# KiCad board mad36v3.kicad_pcb
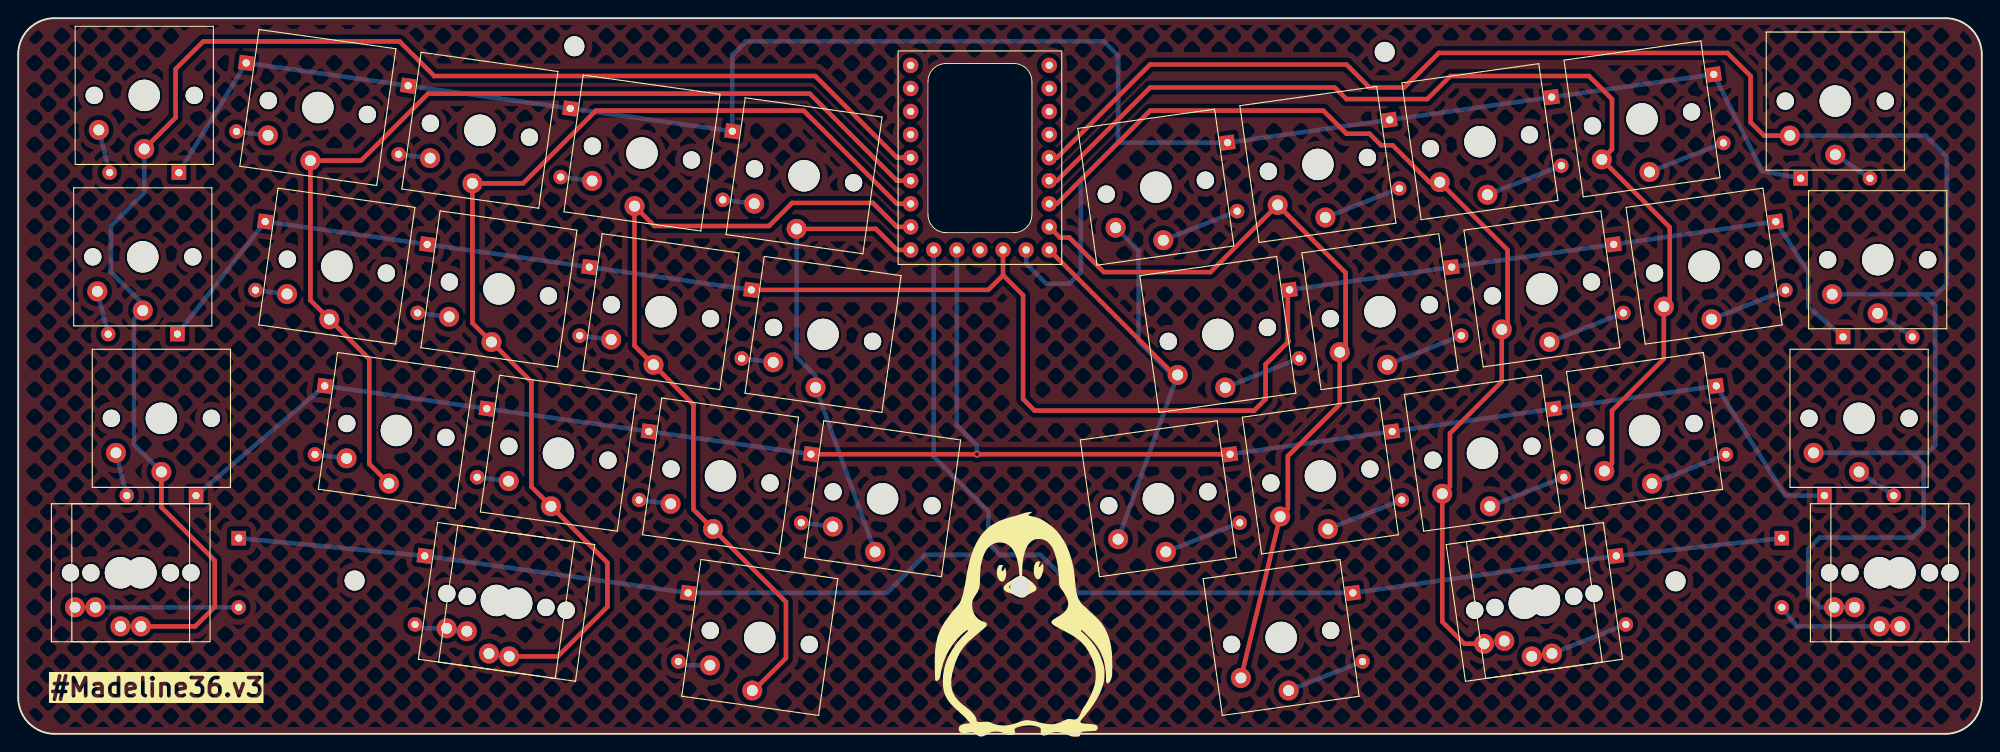
[diagram p0: board, top side]
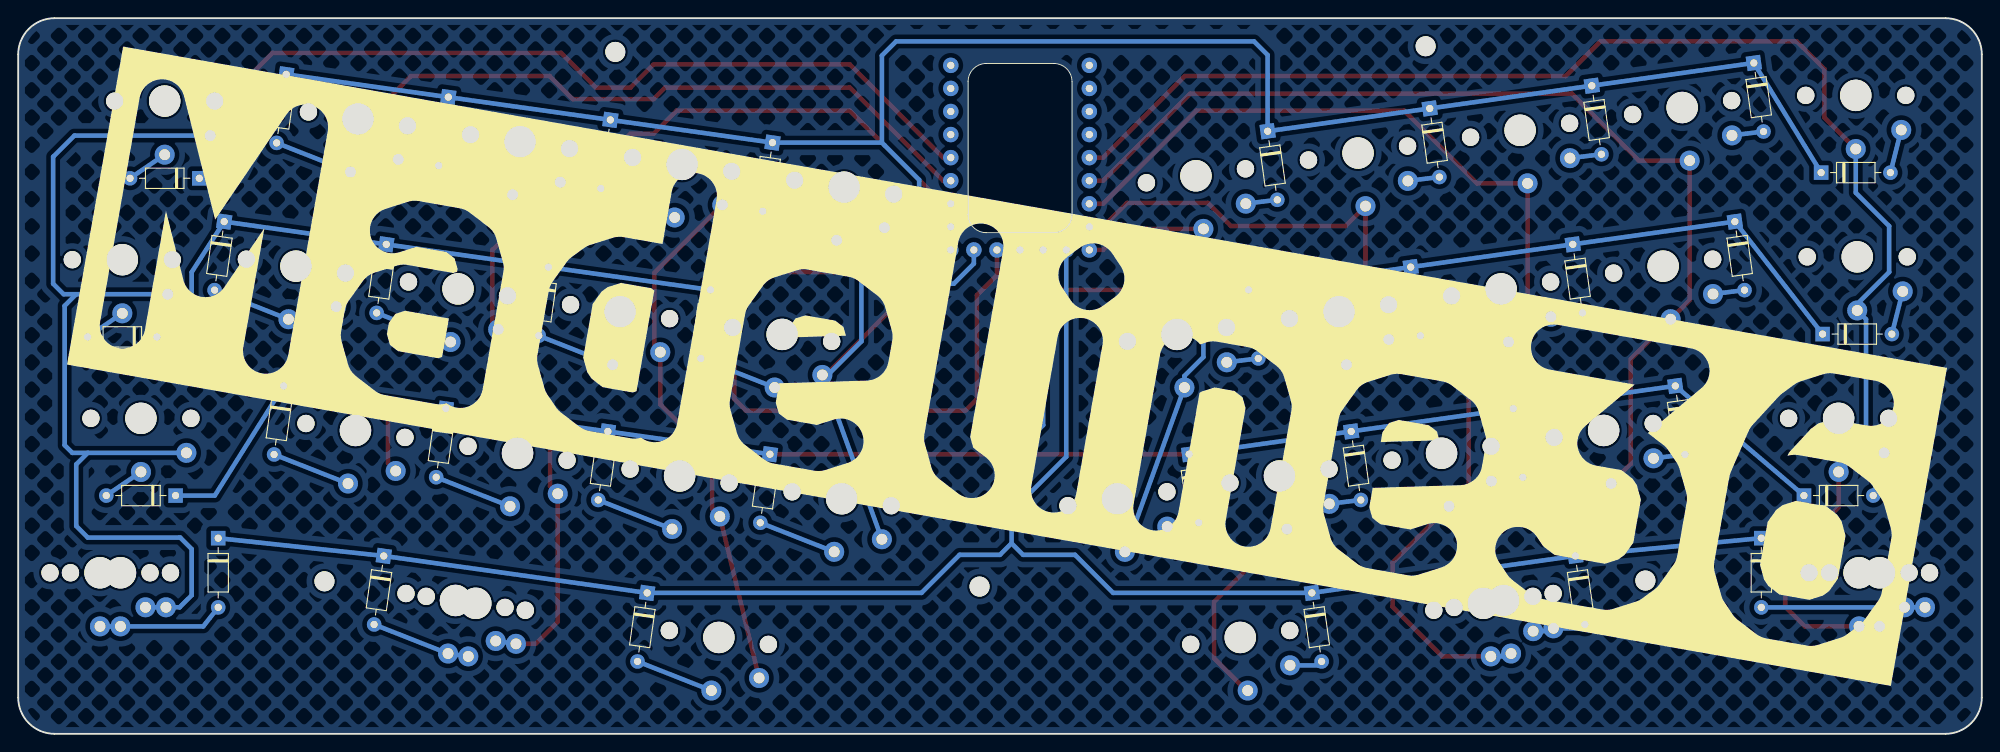
[diagram p1: board, bottom side, seen from below]

Outline 215.97 x 78.78 mm; copper layers: Top, Bottom. Coordinates in mm from the lower left corner of the outline.
Outline path: 0,74.78 arc(1.17,77.61) 4,78.78 211.97,78.78 arc(214.8,77.61) 215.97,74.78 215.97,4 arc(214.8,1.17) 211.99,0 4,0 arc(1.17,1.17) 0,4.02 0,74.78 ; 100.06,71.79 arc(100.65,73.2) 102.06,73.79 109.49,73.79 arc(110.91,73.2) 111.49,71.79 111.49,57.17 arc(110.91,55.75) 109.49,55.17 102.06,55.17 arc(100.65,55.75) 100.06,57.17 100.06,71.79

## Placement (name value [footprint] x y rotation side)
D1  DIODE  [Diode]  17.67 61.78 180 bottom
D2  DIODE  [Diode]  25.07 73.85 262 bottom
D3  DIODE  [Diode]  42.9 71.34 262 bottom
D4  DIODE  [Diode]  60.72 68.84 262 bottom
D5  DIODE  [Diode]  78.55 66.33 262 bottom
D6  DIODE  [Diode]  133.01 65.08 278 bottom
D7  DIODE  [Diode]  150.84 67.58 278 bottom
D8  DIODE  [Diode]  168.66 70.09 278 bottom
D9  DIODE  [Diode]  186.49 72.59 278 bottom
D10  DIODE  [Diode]  196.05 61.15 0 bottom
D11  DIODE  [Diode]  17.51 44 180 bottom
D12  DIODE  [Diode]  27.16 56.38 262 bottom
D13  DIODE  [Diode]  44.99 53.88 262 bottom
D14  DIODE  [Diode]  62.81 51.37 262 bottom
D15  DIODE  [Diode]  80.64 48.87 262 bottom
D16  DIODE  [Diode]  139.83 48.87 278 bottom
D17  DIODE  [Diode]  157.66 51.37 278 bottom
D18  DIODE  [Diode]  175.48 53.88 278 bottom
D19  DIODE  [Diode]  193.31 56.38 278 bottom
D20  DIODE  [Diode]  200.71 43.69 0 bottom
D21  DIODE  [Diode]  19.56 26.23 180 bottom
D22  DIODE  [Diode]  33.71 38.3 262 bottom
D23  DIODE  [Diode]  51.53 35.79 262 bottom
D24  DIODE  [Diode]  69.36 33.29 262 bottom
D25  DIODE  [Diode]  87.18 30.78 262 bottom
D26  DIODE  [Diode]  133.29 30.78 278 bottom
D27  DIODE  [Diode]  151.11 33.29 278 bottom
D28  DIODE  [Diode]  168.94 35.79 278 bottom
D29  DIODE  [Diode]  186.76 38.3 278 bottom
D30  DIODE  [Diode]  198.66 26.23 0 bottom
D31  DIODE  [Diode]  24.25 21.54 270 bottom
D32  DIODE  [Diode]  44.71 19.58 262 bottom
D33  DIODE  [Diode]  73.68 15.51 262 bottom
D34  DIODE  [Diode]  146.79 15.51 278 bottom
D35  DIODE  [Diode]  175.76 19.58 278 bottom
D36  DIODE  [Diode]  193.97 21.54 270 bottom
H1  MountingHole  [MountingHole_2.2mm_M2]  110.23 16.21 0 top
H2  MountingHole  [MountingHole_2.2mm_M2]  37 16.87 0 top
H3  MountingHole  [MountingHole_2.2mm_M2]  182.29 16.79 0 top
H4  MountingHole  [MountingHole_2.2mm_M2]  150.3 75.06 0 top
H5  MountingHole  [MountingHole_2.2mm_M2]  61.17 75.69 0 top
SW1  key  [SW_Kailh_Choc_V1_1.00u]  13.86 70.28 180 top
SW2  key  [SW_Kailh_Choc_V1_1.00u]  32.96 68.94 172 top
SW3  key  [SW_Kailh_Choc_V1_1.00u]  50.78 66.44 172 top
SW4  key  [SW_Kailh_Choc_V1_1.00u]  68.61 63.93 172 top
SW5  key  [SW_Kailh_Choc_V1_1.00u]  86.43 61.43 172 top
SW6  key  [SW_Kailh_Choc_V1_1.00u]  125.12 60.17 188 top
SW7  key  [SW_Kailh_Choc_V1_1.00u]  142.95 62.68 188 top
SW8  key  [SW_Kailh_Choc_V1_1.00u]  160.77 65.18 188 top
SW9  key  [SW_Kailh_Choc_V1_1.00u]  178.6 67.69 188 top
SW10  key  [SW_Kailh_Choc_V1_1.00u]  199.86 69.65 180 top
SW11  key  [SW_Kailh_Choc_V1_1.00u]  13.7 52.5 180 top
SW12  key  [SW_Kailh_Choc_V1_1.00u]  35.05 51.48 172 top
SW13  key  [SW_Kailh_Choc_V1_1.00u]  52.87 48.98 172 top
SW14  key  [SW_Kailh_Choc_V1_1.00u]  70.7 46.47 172 top
SW15  key  [SW_Kailh_Choc_V1_1.00u]  88.52 43.97 172 top
SW16  key  [SW_Kailh_Choc_V1_1.00u]  131.95 43.97 188 top
SW17  key  [SW_Kailh_Choc_V1_1.00u]  149.77 46.47 188 top
SW18  key  [SW_Kailh_Choc_V1_1.00u]  167.6 48.98 188 top
SW19  key  [SW_Kailh_Choc_V1_1.00u]  185.42 51.48 188 top
SW20  key  [SW_Kailh_Choc_V1_1.00u]  204.52 52.19 180 top
SW21  key  [SW_Kailh_Choc_V1_1.00u]  15.75 34.73 180 top
SW22  key  [SW_Kailh_Choc_V1_1.00u]  41.6 33.39 172 top
SW23  key  [SW_Kailh_Choc_V1_1.00u]  59.42 30.89 172 top
SW24  key  [SW_Kailh_Choc_V1_1.00u]  77.25 28.38 172 top
SW25  key  [SW_Kailh_Choc_V1_1.00u]  95.07 25.88 172 top
SW26  key  [SW_Kailh_Choc_V1_1.00u]  125.4 25.88 188 top
SW27  key  [SW_Kailh_Choc_V1_1.00u]  143.22 28.38 188 top
SW28  key  [SW_Kailh_Choc_V1_1.00u]  161.05 30.89 188 top
SW29  key  [SW_Kailh_Choc_V1_1.00u]  178.87 33.39 188 top
SW30  key  [SW_Kailh_Choc_V1_1.00u]  202.47 34.73 180 top
SW31  key  [SW_Kailh_Choc_V1_1.00u]  11.25 17.73 180 top
SW31b  key  [SW_Kailh_Choc_V1_1.00u]  13.5 17.73 180 top
SW32  key  [SW_Kailh_Choc_V1_1.00u]  54.83 14.37 172 top
SW32b  key  [SW_Kailh_Choc_V1_1.00u]  52.6 14.68 172 top
SW33  key  [SW_Kailh_Choc_V1_1.00u]  81.56 10.61 172 top
SW34  key  [SW_Kailh_Choc_V1_1.00u]  138.91 10.61 188 top
SW35  key  [SW_Kailh_Choc_V1_1.00u]  165.64 14.37 188 top
SW35b  key  [SW_Kailh_Choc_V1_1.00u]  167.87 14.68 188 top
SW36  key  [SW_Kailh_Choc_V1_1.00u]  206.97 17.73 180 top
SW36b  key  [SW_Kailh_Choc_V1_1.00u]  204.72 17.73 180 top
U1  -  [RP2040]  105.78 63.42 0 top

## Library data of the parts
H1-H5 = -: ki_fp_filters: MountingHole*

## Footprints (pads in the part's own frame, mm; a bottom-side part is the same pattern mirrored in y, then rotated)
Diode
  rect 1.6x1.6 hole 0.8: 1(0,0)
  oval 1.6x1.6 hole 0.8: 2(7.62,0)
MountingHole_2.2mm_M2
  round 2.2 hole 2.2 unplated: (0,0)
RP2040
  round 1.7 hole 0.8: 0(7.62,10.16) 1(7.62,7.62) 2(7.62,5.08) 3(7.62,2.54) 4(7.62,0) 5(7.62,-2.54) 6(7.62,-5.08) 7(7.62,-7.62) 8(7.62,-10.16) 9(5.08,-10.16) 10(2.54,-10.16) 11(0,-10.16) 12(-2.54,-10.16) 13(-5.08,-10.16) 14(-7.62,-10.16) 15(-7.62,-7.62) 16(-7.62,-5.08) 17(-7.62,-2.54) 18(-7.62,0) 19(-7.62,2.54) 20(-7.62,5.08) 21(-7.62,7.62) 22(-7.62,10.16)
SW_Kailh_Choc_V1_1.00u
  round 1.9 hole 1.9 unplated: (-5.5,0) (5.5,0)
  round 3.45 hole 3.45 unplated: (0,0)
  round 2.2 hole 1.2: 1(0,5.9) 2(5,3.8)

## Nets
GND: U1.21
c0: SW1.1 SW11.1 SW21.1 SW31.1 SW31b.1 U1.18
c1: SW2.1 SW12.1 SW22.1 U1.17
c2: SW3.1 SW13.1 SW23.1 SW32.1 SW32b.1 U1.16
c3: SW4.1 SW14.1 SW24.1 SW33.1 U1.15
c4: SW5.1 SW15.1 SW25.1 U1.14
c5: SW6.2 SW16.2 SW26.2 U1.8
c6: SW7.2 SW17.2 SW27.2 SW34.2 U1.7
c7: SW8.2 SW18.2 SW28.2 SW35.2 SW35b.2 U1.6
c8: SW9.2 SW19.2 SW29.2 U1.5
c9: SW10.2 SW20.2 SW30.2 SW36.2 SW36b.2 U1.4
l0: D31.1 D32.1 D33.1 D34.1 D35.1 D36.1 U1.13
l1: D21.1 D22.1 D23.1 D24.1 D25.1 D26.1 D27.1 D28.1 D29.1 D30.1 U1.12
l2: D11.1 D12.1 D13.1 D14.1 D15.1 D16.1 D17.1 D18.1 D19.1 D20.1 U1.10
l3: D1.1 D2.1 D3.1 D4.1 D5.1 D6.1 D7.1 D8.1 D9.1 D10.1 U1.9
Net-(D1-Pad2): D1.2 SW1.2
Net-(D2-Pad2): D2.2 SW2.2
Net-(D3-Pad2): D3.2 SW3.2
Net-(D4-Pad2): D4.2 SW4.2
Net-(D5-Pad2): D5.2 SW5.2
Net-(D6-Pad2): D6.2 SW6.1
Net-(D7-Pad2): D7.2 SW7.1
Net-(D8-Pad2): D8.2 SW8.1
Net-(D9-Pad2): D9.2 SW9.1
Net-(D10-Pad2): D10.2 SW10.1
Net-(D11-Pad2): D11.2 SW11.2
Net-(D12-Pad2): D12.2 SW12.2
Net-(D13-Pad2): D13.2 SW13.2
Net-(D14-Pad2): D14.2 SW14.2
Net-(D15-Pad2): D15.2 SW15.2
Net-(D16-Pad2): D16.2 SW16.1
Net-(D17-Pad2): D17.2 SW17.1
Net-(D18-Pad2): D18.2 SW18.1
Net-(D19-Pad2): D19.2 SW19.1
Net-(D20-Pad2): D20.2 SW20.1
Net-(D21-Pad2): D21.2 SW21.2
Net-(D22-Pad2): D22.2 SW22.2
Net-(D23-Pad2): D23.2 SW23.2
Net-(D24-Pad2): D24.2 SW24.2
Net-(D25-Pad2): D25.2 SW25.2
Net-(D26-Pad2): D26.2 SW26.1
Net-(D27-Pad2): D27.2 SW27.1
Net-(D28-Pad2): D28.2 SW28.1
Net-(D29-Pad2): D29.2 SW29.1
Net-(D30-Pad2): D30.2 SW30.1
Net-(D31-Pad2): D31.2 SW31.2 SW31b.2
Net-(D32-Pad2): D32.2 SW32.2 SW32b.2
Net-(D33-Pad2): D33.2 SW33.2
Net-(D34-Pad2): D34.2 SW34.1
Net-(D35-Pad2): D35.2 SW35.1 SW35b.1
Net-(D36-Pad2): D36.2 SW36.1 SW36b.1

Pads without a net: U1 0 1 2 3 11 19 20 22

## Via types
v1: diameter 0.8, hole 0.4, Top to Bottom, 1 via

## Routing (per net, layer and track width the routed paths; a pad name or vN(x,y) marks a point on that pad's centre or on a via; arc(x,y) is an arc through that point)
c0: length 166.3
  Top w0.5: SW21.1 15.75,24.94 21.62,19.07 21.62,13.99 19.47,11.83 SW31b.1 ; SW1.1 17.31,67.83 17.31,73.18 20.35,76.22 41.94,76.22 45.75,72.41 87.66,72.41 96.65,63.42 U1.18
  Bottom w0.5: SW1.1 13.86,59.57 10.19,55.9 10.19,50.82 13.7,47.31 SW11.1 12.73,45.63 12.73,31.84 SW21.1 ; SW31b.1 SW31.1
c1: length 112.2
  Top w0.5: SW22.1 38.62,29.71 38.62,41.25 SW12.1 32.14,47.73 SW2.1 37.72,63.1 45.09,70.47 87.06,70.47 96.65,60.88 U1.17
c2: length 123.9
  Top w0.5: SW32.1 59.34,8.52 64.8,13.99 64.8,18.84 SW23.1 56.44,27.2 56.44,38.74 SW13.1 49.96,45.22 SW3.1 55.53,60.59 63.53,68.6 86.39,68.6 96.65,58.34 U1.16
  Bottom w0.5: SW32b.1 52.09,8.52 SW32.1
c3: length 95.4
  Top w0.5: 80.66,4.55 84.44,8.32 84.44,14.52 SW24.1 74.27,24.7 74.27,36.24 SW14.1 67.79,42.72 SW4.1 69.98,55.9 82.58,55.9 85.12,58.44 94.01,58.44 96.65,55.8 U1.15
c4: length 51.1
  Top w0.5: SW5.1 94.33,55.58 96.65,53.26 U1.14
  Bottom w0.5: SW5.1 85.61,41.48 87.7,39.39 SW15.1 SW25.1
c5: length 58.1
  Top w0.5: U1.8 127.16,39.51
  Bottom w0.5: SW26.2 SW16.2 126.92,39.51 123.22,43.2 123.22,53.19 SW6.2
c6: length 88.9
  Top w0.5: SW34.2 SW27.2 139.65,24.77 139.65,30.57 145.35,36.27 SW17.2 146,42.66 146,50.75 SW7.2 131.12,50.82 119.41,50.82 115.6,54.63 114.57,54.63 U1.7
c7: length 112.8
  Top w0.5: U1.6 114.24,58.34 124.49,68.6 143.54,68.6 146.08,66.06 148.62,66.06 149.89,64.79 151.16,64.79 155.23,60.72 SW8.2 163.82,53.26 163.82,45.16 SW18.2 163.17,38.78 157.47,33.07 157.47,27.27 SW28.2 156.63,12.34 159.06,9.91 SW35.2
  Bottom w0.5: SW35b.2 SW35.2
c8: length 116.2
  Top w0.5: SW29.2 175.29,29.78 175.29,35.58 181,41.28 SW19.2 181.64,47.67 181.64,55.76 SW9.2 175.29,64.35 175.29,69.87 172.75,72.41 157.51,72.41 154.97,69.87 146.08,69.87 144.81,71.14 124.49,71.14 114.24,60.88 U1.5
c9: length 204.3
  Top w0.5: SW10.2 192.01,65.85 190.53,67.33 190.53,72.41 187.99,74.95 156.24,74.95 152.43,71.14 148.62,71.14 146.08,73.68 124.49,73.68 114.24,63.42 U1.4
  Bottom w0.5: SW10.2 209.79,65.85 212.12,63.52 212.12,49.55 210.97,48.39 209.58,48.39 ; 209.58,48.39 210.85,47.12 210.85,31.77 210.02,30.93 208.31,30.93 ; 209.58,48.39 SW20.2 ; 208.31,30.93 209.58,29.66 209.58,22.88 208.31,21.61 198.15,21.61 196.88,20.34 196.88,15.26 198.21,13.93 SW36b.2 SW36.2 ; 208.31,30.93 SW30.2
l0: length 209.8
  Bottom w0.5: D36.1 D35.1 D34.1 116.62,15.51 112.43,19.7 107.98,19.7 106.71,20.97 ; 106.71,20.97 106.71,24.48 100.7,30.5 U1.13 ; 106.71,20.97 105.44,19.7 99.73,19.7 95.54,15.51 D33.1 D32.1 D31.1
l1: length 214.7
  Top w0.5: D26.1 v1(105.44,30.78) D25.1
  Bottom w0.5: D26.1 D29.1 194.34,26.23 D30.1 ; D25.1 D22.1 D21.1 ; U1.12 103.24,33.97 105.44,31.77 v1(105.44,30.78)
l2: length 225.5
  Top w0.5: 108.32,50.48 110.52,48.28 110.52,36.85 111.79,35.58 135.92,35.58 137.19,36.85 137.19,40.66 139.73,43.2 139.64,43.29 139.64,48.68 ; 108.32,50.48 106.7,48.87 D15.1 ; 108.32,50.48 U1.10
  Bottom w0.5: D11.1 D12.1 D15.1 ; D20.1 196.88,47.01 196.88,50.82 D19.1 D16.1
l3: length 237
  Bottom w0.5: 120.97,65.08 D6.1 D9.1 191.8,61.95 D10.1 ; 120.97,65.08 120.97,74.66 119.41,76.22 80.04,76.22 78.55,74.72 D5.1 D2.1 D1.1 ; 120.97,65.08 116.87,60.98 116.87,50.82 115.6,49.55 113.06,49.55 110.86,51.75 U1.9
Net-(D1-Pad2): length 4.8
  Bottom w0.5: D1.2 SW1.2
Net-(D2-Pad2): length 3.5
  Bottom w0.5: SW2.2 D2.2
Net-(D3-Pad2): length 3.5
  Bottom w0.5: SW3.2 D3.2
Net-(D4-Pad2): length 3.5
  Bottom w0.5: SW4.2 D4.2
Net-(D5-Pad2): length 3.5
  Bottom w0.5: SW5.2 D5.2
Net-(D6-Pad2): length 8.7
  Bottom w0.5: D6.2 SW6.1
Net-(D7-Pad2): length 8.7
  Bottom w0.5: D7.2 SW7.1
Net-(D8-Pad2): length 8.7
  Bottom w0.5: D8.2 SW8.1
Net-(D9-Pad2): length 8.7
  Bottom w0.5: D9.2 SW9.1
Net-(D10-Pad2): length 4.6
  Bottom w0.5: D10.2 SW10.1
Net-(D11-Pad2): length 4.8
  Bottom w0.5: D11.2 SW11.2
Net-(D12-Pad2): length 3.5
  Bottom w0.5: SW12.2 D12.2
Net-(D13-Pad2): length 3.5
  Bottom w0.5: SW13.2 D13.2
Net-(D14-Pad2): length 3.5
  Bottom w0.5: SW14.2 D14.2
Net-(D15-Pad2): length 3.5
  Bottom w0.5: SW15.2 D15.2
Net-(D16-Pad2): length 8.7
  Bottom w0.5: D16.2 SW16.1
Net-(D17-Pad2): length 8.7
  Bottom w0.5: D17.2 SW17.1
Net-(D18-Pad2): length 8.7
  Bottom w0.5: D18.2 SW18.1
Net-(D19-Pad2): length 8.7
  Bottom w0.5: D19.2 SW19.1
Net-(D20-Pad2): length 4.6
  Bottom w0.5: D20.2 SW20.1
Net-(D21-Pad2): length 4.8
  Bottom w0.5: D21.2 SW21.2
Net-(D22-Pad2): length 3.5
  Bottom w0.5: SW22.2 D22.2
Net-(D23-Pad2): length 3.5
  Bottom w0.5: SW23.2 D23.2
Net-(D24-Pad2): length 3.5
  Bottom w0.5: SW24.2 D24.2
Net-(D25-Pad2): length 3.5
  Bottom w0.5: SW25.2 D25.2
Net-(D26-Pad2): length 8.7
  Bottom w0.5: D26.2 SW26.1
Net-(D27-Pad2): length 8.7
  Bottom w0.5: D27.2 SW27.1
Net-(D28-Pad2): length 8.7
  Bottom w0.5: D28.2 SW28.1
Net-(D29-Pad2): length 8.7
  Bottom w0.5: D29.2 SW29.1
Net-(D30-Pad2): length 4.6
  Bottom w0.5: D30.2 SW30.1
Net-(D31-Pad2): length 18
  Bottom w0.5: SW31.2 SW31b.2 8.51,13.92 D31.2
Net-(D32-Pad2): length 6
  Bottom w0.5: D32.2 44.08,11.61 SW32b.2 47.43,11.3 SW32.2
Net-(D33-Pad2): length 3.6
  Bottom w0.5: SW33.2 73.04,7.54 D33.2
Net-(D34-Pad2): length 8.7
  Bottom w0.5: D34.2 SW34.1
Net-(D35-Pad2): length 11
  Bottom w0.5: SW35.1 SW35b.1 D35.2
Net-(D36-Pad2): length 14
  Bottom w0.5: SW36.1 SW36b.1 195.61,11.83 D36.2

## Copper pours and planes (outline as drawn; the poured copper is in the pictures)
(no net) on Top, Bottom: 215.97,4 214.8,1.17 211.99,0 4,0 1.17,1.17 0,4.02 0,74.78 1.17,77.61 4,78.78 211.97,78.78 214.8,77.61 215.97,74.78

## Text on the board
B.Silkscreen: Madeline36
F.Silkscreen: #Madeline36.v3
